# Altium PCB ITA_v01.PcbDoc (continued)
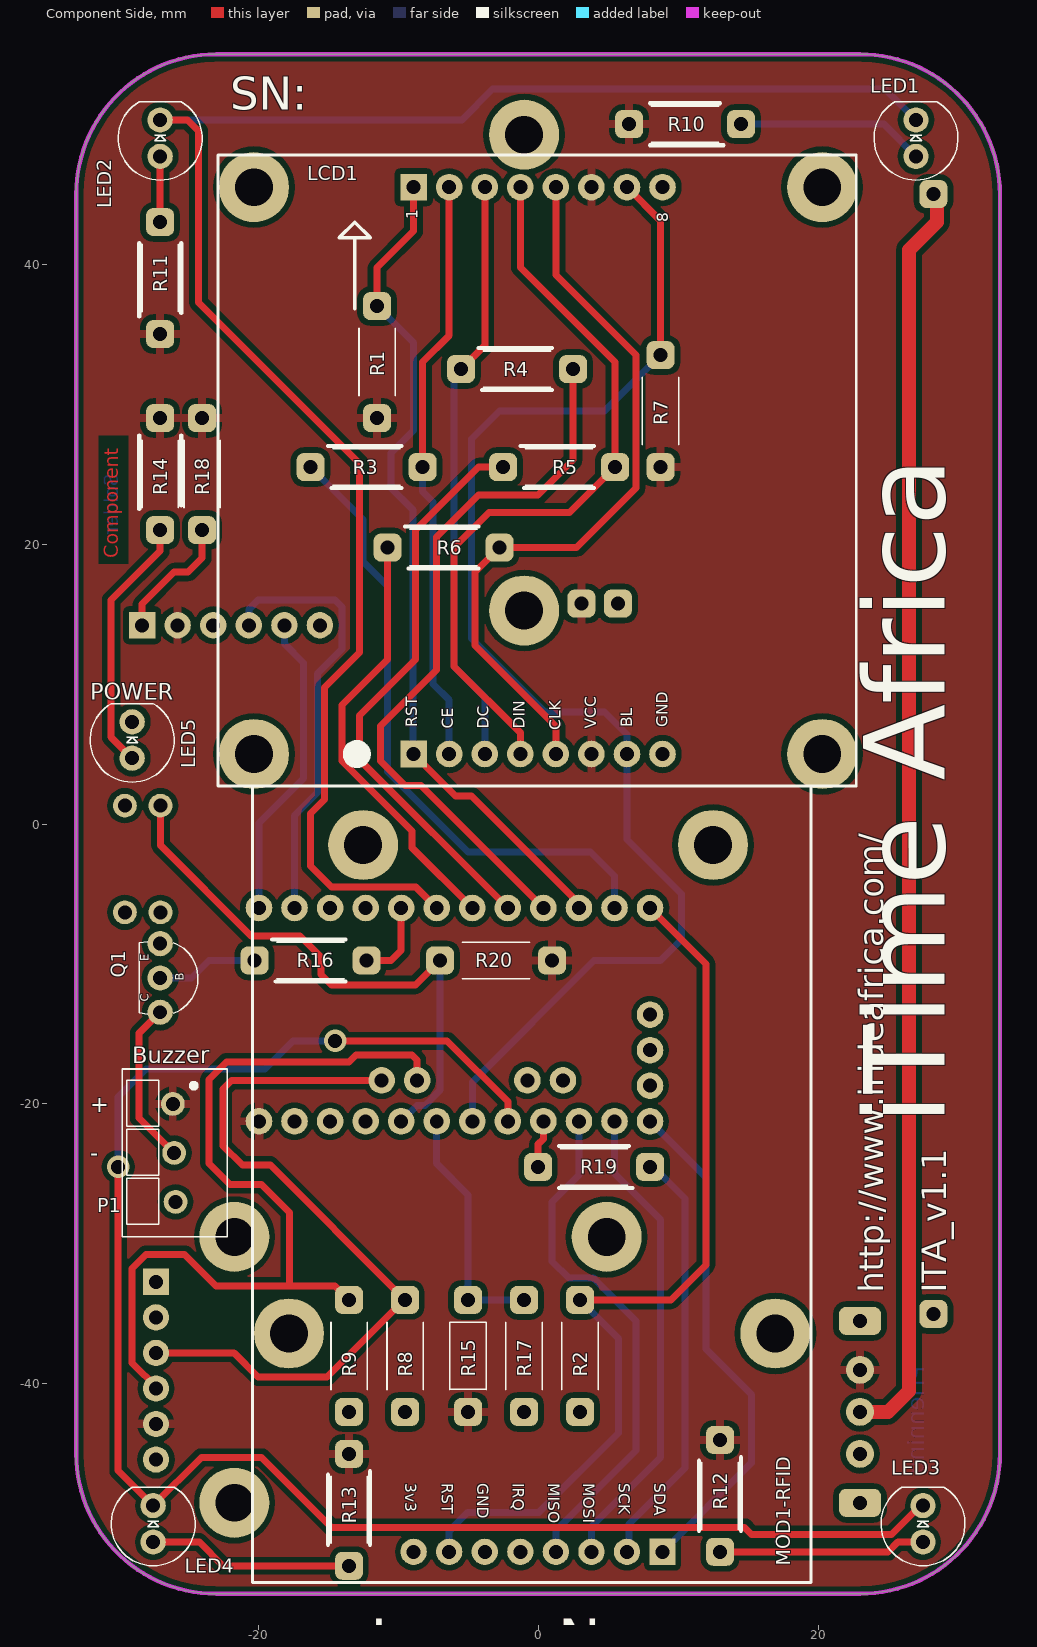
[diagram p0: Component Side view]
## Nets (pads, with @x,y where several pads share a name; then routed paths per layer and width w, separated by ;. In a path a pad name is that pad's centre, name@x,y a point inside that pad or via, vN(x,y) a via of type N, cw(c..) or ccw(c..) an arc to the next point about the centre after c; other vN are vias at no path point) (continued)
  Component Side w0.5: LED5.1 -30.5,6.2 -30.5,16 -27,19.5 R14.2
NetP1_2: P1.2 Q1.1 | length 11.7
  Component Side w0.5: Q1.1 -28.5,-14.95 -28.5,-21 P1.2
NetQ1_2: Q1.2 R16.2 | length 7.3
  Bottom Layer w0.5: Q1.2 -24.75,-11 -23.5,-9.75 R16.2
NetR19_1: R19.1 U1.27 | length 3.4
  Component Side w0.5: R19.1 0,-22.88 0.38,-22.5 U1.27
Reset_b: MOD1-RFID.7 R2.2 U1.1 | length 64.3
  Component Side w0.5: R2.2 9.5,-34 12,-31.5 12,-10 U1.1
  Bottom Layer w0.5: MOD1-RFID.7 -6.35,-50.5 -5.05,-49.2 0.05,-49.2 5.75,-43.5 5.75,-36.75 R2.2
RFID_CS: MOD1-RFID.1 U1.30 | length 36.4
  Bottom Layer w0.5: U1.30 12,-25.24 12,-37.5 15.25,-40.75 15.25,-45.64 MOD1-RFID.1
RFID_MISO: MOD1-RFID.4 U1.28 | length 37.4
  Bottom Layer w0.5: MOD1-RFID.4 1.27,-50.48 7,-44.75 7,-35.5 3.95,-32.45 2.2,-32.45 1,-31.25 1,-27 2.92,-25.08 U1.28
RFID_MOSI: MOD1-RFID.3 U1.29 | length 34.2
  Bottom Layer w0.5: MOD1-RFID.3 3.81,-50.19 8.75,-45.25 8.75,-28.25 5.46,-24.96 U1.29
RFID_SCK: MOD1-RFID.2 R19.2 | length 30.4
  Bottom Layer w0.5: MOD1-RFID.2 6.5,-51.85 6.5,-50 10.5,-46 10.5,-26.75 8.25,-24.5 R19.2
SCL: MOD2-RTC.3 R8.2 U1.34 | length 53
  Component Side w0.5: MOD2-RTC.3@-26.8,-37.79 -21.71,-37.79 -20,-39.5 -15.073,-39.5 -10,-34.427 -10,-33.5 -19.125,-24.375 -21.125,-24.375 -22.5,-23 -22.5,-18.927 -21.892,-18.319 U1.34
SDA: MOD2-RTC.4 R9.2 U1.33 | length 63
  Component Side w0.5: MOD2-RTC.4@-26.8,-40.33 -27.17,-40.33 -29,-38.5 -29,-31.75 -28,-30.75 -25.25,-30.75 -23,-33 -17.75,-33 ; R9.2 -14.5,-33 -17.75,-33 ; R9.2@-13.25,-33.75 R9.2@-13,-34 ; U1.33 -8.637,-16.863 -9,-16.5 -13,-16.5 -13.5,-17 -22.25,-17 -23.5,-18.25 -23.5,-24.25 -22,-25.75 -19.75,-25.75 -17.75,-27.75 -17.75,-33
UART_ARD_2_MOD: MOD3-BT.5 U1.12 | length 22.1
  Bottom Layer w0.5: U1.12 -19.94,0.06 -16.75,3.25 -16.75,11.5 -18.13,12.88 MOD3-BT.5
UART_MOD_2_ARD: MOD3-BT.4 U1.11 | length 31.2
  Bottom Layer w0.5: MOD3-BT.4 -20.67,15.33 -20,16 -14.5,16 -14,15.5 -14,12.5 -15.75,10.75 -15.75,2.25 -17.4,0.6 U1.11
V_Meas: R15.1 R17.2 U1.24 | length 18.1
  Bottom Layer w0.5: U1.24 -7.24,-24.26 -5,-26.5 -5,-33 -5.5,-33.5 R15.1 R17.2
Vbatt: BAT1.1 S1.2 | length 90.4
  Component Side w1: S1.2 25,-42 26.5,-40.5 26.5,41 28.5,43 BAT1.1@28.5,45
Vraw: LCD1.6 MOD2-RTC.5 MOD3-BT.2 MOD4.1 P1.1 R1.1 R7.1 R10.1 R11.1 R12.1 R13.1 R14.1 R15.2 R18.1 R20.2 S1.3 U1.19
pads on no net: LCD1.M1 MOD1-RFID.5 MOD1-RFID.M MOD2-RTC.1 MOD2-RTC.2 MOD2-RTC.M MOD3-BT.6 MOD4.M P1.3 S1.1 S1.M S2.4 U1.10 U1.21 U1.31 U1.32

## Polygon pours and split planes (outlines as drawn)
Vraw on Component Side "Component Side-Vraw" (solid, remove dead copper, pour order 4): -33,49 -27.359,54.641 26.979,55.021 33,49 33,-48.5 26.5,-55 -27.025,-54.975 -32.487,-49.513
3v3 on Bottom Layer "Bottom Layer-3v3" (solid, remove dead copper, pour order 2): -14,-20 -14,-25.5 -15.5,-27 -15.5,-43.519 -15.418,-43.601 -6.601,-43.601 -2.5,-39.5 0.5,-39.5 1.092,-40.092 1.092,-43.408 -0.892,-45.392 -6.392,-45.392 -11,-50 -11,-53.119 -4.619,-53.119 5.25,-43.25 5.25,-20
GND on Bottom Layer "Bottom_gnd" (solid, remove dead copper, pour order 6): -33,49 -27.359,54.641 26.979,55.021 33,49 33,-48.5 26.5,-55 -27.025,-54.975 -32.487,-49.513

## Keep-outs
Keep-Out Layer:
  the board outline again, w0.3

## Other copper
Component Side:
  text "Component" at -30,19 h1 r90
  text ".Layer_Name" at -13.25,-60.75 h5.08
Bottom Layer:
  text "Solder" at -30,25 h1 r90
  text "PHenning" at 28,-38.75 h2 r90
  text ".Layer_Name" at -13.25,-60.75 h5.08

## Silkscreen, mask and mechanical layers (free items; w line width, h text height)
Top Overlay:
  lines w0.1: -6.3,-40.4 -3.7,-40.4 ; -6.3,-35.6 -3.7,-35.6
  lines w0.3: -28.5,22.5 -28.5,27.75 ; -28.5,36.25 -28.5,41.5 ; -25.5,22.75 -25.5,27.75 ; -25.5,36.5 -25.5,41.5 ; -19,-8.25 -13.75,-8.25 ; -18.75,-11.25 -13.75,-11.25 ; -15,-51.5 -15,-46.5 ; -15,27 -9.75,27 ; -14.75,24 -9.75,24 ; -12,-51.5 -12,-46.25 ; -9.5,21.25 -4.25,21.25 ; -9.25,18.25 -4.25,18.25 ; -4.25,34 1,34 ; -4,31 1,31 ; -1.25,27 4,27 ; -1,24 4,24 ; 1.5,-26 6.75,-26 ; 1.5,-23 6.5,-23 ; 8,48.5 13.25,48.5 ; 8,51.5 13,51.5 ; 11.5,-50.5 11.5,-45.5 ; 14.5,-50.5 14.5,-45.25
  text "SN:" at -22,50.25 h4
  text "POWER" at -32,8.5 h2
  text "Buzzer" at -29,-17.5 h2
  text "+" at -32,-21 h2
  text "iTime Africa" at 31,-21.5 h10 r90
  text "-" at -32,-24.5 h2
  text "http://www.irideafrica.com/" at 25.25,-33.5 h3 r90
  text "ITA_v1.1" at 29.75,-33.5 h3 r90
  text ".Layer_Name" at -13.25,-60.75 h5.08
Bottom Overlay:
  text "Config" at -22,4 h0.8 r90
  text "ON" at 31.9,-36.667 h1.8 r90
  text "." at 17.25,-41.25 h6 r90
  text "OFF" at 32.25,-44.75 h1.8 r90
  text ".Layer_Name" at -13.25,-60.75 h5.08
Top Solder:
  text ".Layer_Name" at -13.25,-60.75 h5.08
Solder Side:
  text ".Layer_Name" at -13.25,-60.75 h5.08
Mechanical 1:
  the board outline again, w0.3
Mechanical 2:
  drawing of 810 lines, arcs and shapes, not listed
  text "PCB MANUFACTURING INFORMATION" at -145.5,72.5 h4
  text "CONSTRUCTION" at -143.5,69.5 h2.5
  text "FAB SPECIFICATION" at -143.5,66.5 h1.8
  text "IPC-6012 CLASS" at -120.25,66.5 h1.8
  text "2" at -96.25,66.5 h1.8
  text "3" at -75.25,66.5 h1.8
  text "MIL-SPEC P-55110" at -60.5,66.5 h1.8
  text "LEAD-FREE RoHS" at -143.5,64.5 h1.8
  text "YES" at -117.25,64.5 h1.8
  text "NOT REQD" at -96.25,64.5 h1.8
  text "MATERIAL" at -143.5,62.5 h1.8
  text "FR4" at -117.25,62.5 h1.8
  text "FR408HR" at -96.25,62.5 h1.8
  text "OTHER______________________" at -75.25,62.5 h1.8
  text "SPECIAL CORES" at -143.5,60.5 h1.8
  text "YES" at -117.25,60.5 h1.8
  text "NO" at -96.25,60.5 h1.8
  text "OTHER______________________" at -75.25,60.5 h1.8
  text "FINAL PCB THICKNESS" at -143.5,58.5 h1.8
  text "1.6mm" at -117.25,58.5 h1.8
  text "THICKNESS TOLERANCE" at -143.5,56.5 h1.8
  text "10%" at -117.25,56.5 h1.8
  text "LAYER COUNT" at -143.5,54.5 h1.8
  text "2" at -117.25,54.5 h1.8
  text "LAYER STACK-UP" at -143.5,49.5 h1.8
  text "MECHANICAL LAYER" at -117.25,49.5 h1.8
  text "FILENAME _________________" at -75.25,49.5 h1.8
  text "ALLOW PCB ROTATION" at -143.5,47.5 h1.8
  text "NO" at -117.25,47.5 h1.8
  text "YES - 90 / 270 DEGREES" at -96.25,47.5 h1.8
  text "IMPEDANCE CONTROL" at -143.5,45.5 h1.8
  text "NO" at -117.25,45.5 h1.8
  text "YES" at -96.25,45.5 h1.8
  text "PER STACKUP" at -75.25,45.5 h1.8
  text "SUPPLY TEST COUPONS" at -143.5,43.5 h1.8
  text "NO" at -117.25,43.5 h1.8
  text "YES" at -96.25,43.5 h1.8
  text "BOARD EDGE" at -143.5,41.5 h1.8
  text "NO EXPOSED COPPER" at -117.25,41.5 h1.8
  text "BOW & TWIST" at -143.5,37.5 h1.8
  text "0.75% SMT (IPC-TM-650 Method 2.4.22)" at -117.25,37.5 h1.8
  text "PROFILING" at -143.5,35.5 h1.8
  text "NC-ROUTE" at -117.25,35.5 h1.8
  text "V-SCORE" at -96.25,35.5 h1.8
  text "BOTH AS INDICATED" at -75.25,35.5 h1.8
  text "PROFILE TOLERANCE" at -143.5,33.5 h1.8
  text "+/- 0.15mm" at -117.25,33.5 h1.8
  text "+/- 0.2mm" at -96.25,33.5 h1.8
  text "+/-0.25mm" at -75.25,33.5 h1.8
  text "CONDUCTIVE MATERIAL" at -143.5,29.5 h2.5
  text "QTY SIGNAL LAYERS" at -143.5,26.562 h1.8
  text "2" at -117.2,26.562 h1.8
  text "QTY COPPER PLANES" at -143.5,24.562 h1.8
  text "0" at -117.2,24.562 h1.8
  text "MIN TRACE WIDTH" at -143.5,22.562 h1.8
  text "0.5mm" at -117.2,22.562 h1.8
  text "MIN CLEARANCE" at -143.5,20.562 h1.8
  text "0.4mm" at -117.2,20.562 h1.8
  text "Cu TRACE TOLERANCE" at -143.5,18.5 h1.8
  text "+/- 5%mm" at -117.25,18.5 h1.8
  text "+/- 10%" at -96.25,18.5 h1.8
  text "+/- 15%" at -75.25,18.5 h1.8
  text "Layer" at 37.796,18.164 h1
  text "Name" at 44.803,18.164 h1
  text "Material" at 60.64,18.164 h1
  text "Thickness" at 75.144,18.164 h1
  text "Constant" at 86.149,18.164 h1
  text "Board Layer Stack" at 95.822,18.164 h1
  text "Cu THICKNESS INTERNAL" at -143.5,16.5 h1.8
  text "17um" at -117.25,16.5 h1.8
  text "35um" at -96.25,16.5 h1.8
  text "PER STACKUP" at -75.25,16.5 h1.8
  text "1" at 37.796,16.164 h1
  text "Top Overlay" at 44.803,16.164 h1
  text "FINAL Cu THICKNESS EXT" at -143.5,14.5 h1.8
  text "17um" at -117.25,14.5 h1.8
  text "35um" at -96.25,14.5 h1.8
  text "PER STACKUP" at -75.25,14.5 h1.8
  text "2" at 37.796,14.164 h1
  text "Top Solder" at 44.803,14.164 h1
  text "Solder Resist" at 60.64,14.164 h1
  text "0.010mm" at 75.144,14.164 h1
  text "3.5" at 86.149,14.164 h1
  text "PLATING FINISH" at -143.5,12.5 h1.8
  text "ENIG" at -117.25,12.5 h1.8
  text "FLASH GOLD" at -96.25,12.5 h1.8
  text "OTHER____" at -75.25,12.5 h1.8
  text "3" at 37.796,12.164 h1
  text "Component Side" at 44.803,12.164 h1
  text "Copper" at 60.64,12.164 h1
  text "0.036mm" at 75.144,12.164 h1
  text "EXTERNAL PLATING" at -143.5,10.5 h1.8
  text "CLASS 2 - 20um" at -117.25,10.5 h1.8
  text "CLASS 3  - 25um" at -96.25,10.5 h1.8
  text "4" at 37.796,10.164 h1
  text "Dielectric 1" at 44.803,10.164 h1
  text "FR-4" at 60.64,10.164 h1
  text "1.500mm" at 75.144,10.164 h1
  text "4.2" at 86.149,10.164 h1
  text "SELECTIVE Au PLATING" at -143.5,8.5 h1.8
  text "NO" at -117.25,8.5 h1.8
  text "AS INDICATED" at -96.25,8.5 h1.8
  text "ON EDGE FINGERS" at -75.25,8.5 h1.8
  text "5" at 37.796,8.164 h1
  text "Bottom Layer" at 44.803,8.164 h1
  text "Copper" at 60.64,8.164 h1
  text "0.036mm" at 75.144,8.164 h1
  text "6" at 37.796,6.164 h1
  text "Solder Side" at 44.803,6.164 h1
  text "Solder Resist" at 60.64,6.164 h1
  text "0.010mm" at 75.144,6.164 h1
  text "3.5" at 86.149,6.164 h1
  text "INTERCONNECTS" at -143.5,4.5 h2.5
  text "7" at 37.796,4.164 h1
  text "Bottom Overlay" at 44.803,4.164 h1
  text "DRILL PROCESS" at -143.5,1.631 h1.8
  text "THT" at -117.2,1.631 h1.8
  text "BLIND & BURIED VIAS" at -96.2,1.631 h1.8
  text "MICRO VIAS" at -61.2,1.631 h1.8
  text "NO" at -117.2,-0.369 h1.8
  text "YES" at -96.2,-0.369 h1.8
  text "SELECTIVE" at -61.2,-0.369 h1.8
  text "FILLED VIAS" at -143.5,-0.5 h1.8
  text "I(a) TENTED" at -117.2,-2.369 h1.8
  text "VI - FILLED & COVERED" at -96.2,-2.369 h1.8
  text "VII - FILLED & CAPPED" at -61.2,-2.369 h1.8
  text "IPC-4761 VIA TYPE" at -143.5,-2.5 h1.8
  text "CONDUCTIVE" at -117.2,-4.369 h1.8
  text "NON-CONDUCTIVE" at -96.2,-4.369 h1.8
  text "FILLING METHOD" at -143.5,-4.5 h1.8
  text "HOLE PLATING" at -143.5,-6.369 h1.8
  text "CLASS 2 - 20um" at -117.25,-6.5 h1.8
  text "CLASS 3  - 25um" at -96.25,-6.5 h1.8
  text "MIN DRILL SIZE" at -143.5,-8.369 h1.8
  text "0.25mm" at -117.25,-8.5 h1.8
  text "MIN FINISHED HOLE" at -143.5,-10.369 h1.8
  text "1mm" at -117.25,-10.5 h1.8
  text "MIN HOLE TO COPPER" at -143.5,-12.5 h1.8
  text "0.2mm" at -117.25,-12.5 h1.8
  text "FINAL HOLE SIZE" at -143.5,-14.5 h1.8
  text "AS PER DRILL TABLE" at -117.25,-14.631 h1.8
  text "CUSTOM INSTRUCTION" at -75.25,-14.631 h1.8
  text "HOLE SIZE TOLERANCE" at -143.5,-16.631 h1.8
  text "+/- 0.075mm" at -117.25,-16.631 h1.8
  text "+/- 0.1mm" at -96.25,-16.631 h1.8
  text "+/- 0.215mm" at -75.25,-16.631 h1.8
  text "HOLE POSITION TOL (GDT)" at -143.5,-18.631 h1.8
  text "0.075mm" at -117.25,-18.631 h1.8
  text "0.085mm" at -96.25,-18.631 h1.8
  text "MIN ASPECT RATIO" at -143.5,-20.631 h1.8
  text "6.4: 1" at -117.25,-20.631 h1.8
  text "COSMETICS" at -143.5,-24.631 h2.5
  text "SOLDERMASK SIDES" at -143.5,-27.631 h1.8
  text "TOP" at -117.25,-27.631 h1.8
  text "BOT" at -103.25,-27.631 h1.8
  text "BOTH SIDES" at -89.25,-27.631 h1.8
  text "SOLDERMASK TYPE" at -143.5,-29.631 h1.8
  text "PHOTO IMAGEABLE (SMOBC)" at -117.25,-29.631 h1.8
  text "SOLDERMASK COLOUR" at -143.5,-31.631 h1.8
  text "GREEN" at -117.25,-31.631 h1.8
  text "BLUE" at -103.25,-31.631 h1.8
  text "RED" at -89.25,-31.631 h1.8
  text "BLACK" at -75.25,-31.631 h1.8
  text "WHITE" at -61.25,-31.631 h1.8
  text "SOLDERMASK WEBBING" at -143.5,-33.631 h1.8
  text "GANG RELIEF NOT ALLOWED, UNLESS BELOW CAPABILITY" at -117.25,-33.631 h1.8
  text "SILKSCREEN COLOUR" at -143.45,-35.631 h1.8
  text "WHITE" at -117.2,-35.631 h1.8
  text "YELLOW" at -103.25,-35.631 h1.8
  text "OTHER ____________" at -89.25,-35.631 h1.8
  text "SILKSCREEN PRINT" at -143.45,-37.631 h1.8
  text "NO LEGEND TO BE APPLIED OVER SOLDER PADS" at -117.25,-37.631 h1.8
  text "SILKSCREEN QTY" at -143.45,-39.631 h1.8
  text "TOP" at -117.2,-39.631 h1.8
  text "BOT" at -103.25,-39.631 h1.8
  text "BOTH SIDES" at -89.25,-39.631 h1.8
  text "SILKSCREEN OVER PADS" at -143.45,-41.631 h1.8
  text "NOT PERMITTED, PLEASE REMOVE IF PRESENT" at -117.25,-41.631 h1.8
  text "MANUFACTURING DEVIATIONS" at -143.45,-45.631 h2.5
  text "PAD REMOVAL" at -143.45,-48.631 h1.8
  text "NO" at -117.25,-48.631 h1.8
  text "ALLOWED ON UNUSED PADS ON INNER LAYERS" at -103.25,-48.631 h1.8
  text "TEARDROPPING" at -143.45,-50.631 h1.8
  text "NO" at -117.25,-50.631 h1.8
  text "YES" at -103.2,-50.631 h1.8
  text "THIEVING" at -143.45,-52.631 h1.8
  text "NO" at -117.25,-52.631 h1.8
  text "WHERE INDICATED" at -103.2,-52.631 h1.8
  text "ALLOWED ON PANEL STRIPS" at -75.25,-52.631 h1.8
  text "ADDITIONAL REQUIREMENTS" at -143.5,-56.631 h2.5
  text "ELECTRICAL TEST" at -143.45,-59.631 h1.8
  text "NONE" at -117.2,-59.631 h1.8
  text "FLYING PROBE" at -89.25,-59.631 h1.8
  text "MANUFACTURER LOGO" at -143.45,-61.631 h1.8
  text "ALLOWED" at -117.2,-61.631 h1.8
  text "NO" at -103.2,-61.631 h1.8
  text ".Print_Date" at 171,-63 h2
  text "BATCH No ON S/SCREEN" at -143.45,-63.631 h1.8
  text "YES" at -117.2,-63.631 h1.8
  text "NO" at -103.2,-63.631 h1.8
  text "DATESTAMP OF THIS PRINT" at 145,-65 h2
  text ".Print_Time" at 171,-65 h2
  text "CERTIFICATE REQ'D" at -143.45,-65.631 h1.8
  text "E-TEST" at -117.2,-65.631 h1.8
  text "UL94" at -103.2,-65.631 h1.8
  text "IPC-6011/12" at -89.25,-65.631 h1.8
  text "MIL-SPEC P-55110" at -75.25,-65.631 h1.8
  text "SILKSCREEN SERIAL #" at -143.5,-67.631 h1.8
  text "YES" at -117.2,-67.631 h1.8
  text "NO" at -103.2,-67.631 h1.8
  text "MANUFACTURING DRAWING" at 133.5,-68.5 h3.5
  text "FINGER EDGE CONNECTOR" at -143.5,-71.631 h2.5
  text "I Ride Africa" at -28.5,-72 h5
  text "I Time Africa" at 134.5,-72 h4
  text "I Ride Africa" at 98,-74 h4
  text "PLATING THICKNESS" at -143.45,-74.631 h1.8
  text "1um" at -117.2,-74.631 h1.8
  text "2um" at -103.2,-74.631 h1.8
  text "5um" at -89.2,-74.631 h1.8
  text "DOCUMENT NUMBER" at 133.5,-75.5 h2
  text "PLATING TYPE" at -143.45,-76.631 h1.8
  text "HARD GOLD" at -117.2,-76.631 h1.8
  text "ENIG" at -89.2,-76.631 h1.8
  text "phhenning@gmail.com" at 51.5,-76.75 h2.5
  text "1.1" at 6.5,-77 h2.5
  text "P Henning" at 13.5,-77 h2.5
  text "2018-01-18" at 33.5,-77 h2.5
  text "CHAMPHER ANGLES" at -143.45,-78.631 h1.8
  text "20" at -117.2,-78.631 h1.8
  text "30" at -103.2,-78.631 h1.8
  text "45" at -89.2,-78.631 h1.8
  text "ITA_v1.1" at 134.5,-79 h4
  text "phhenning@gmail.com" at 51.5,-79.5 h2.5
  text "1.0" at 6.5,-80 h2.5
  text "P Henning" at 13.5,-80 h2.5
  text "2017-12-12" at 33.5,-80 h2.5
  text "CHAMPHER HEIGHT" at -143.5,-80.631 h1.8
  text "???" at -117.2,-80.631 h1.8
  text "SHEET" at 170,-82 h2.5
  text "DETAIL" at -143.5,-82.631 h1.8
  text "NO" at -117.25,-82.631 h1.8
  text "YES, SEE MECHANICAL LAYER" at -103.25,-82.631 h1.8
  text "www.irideafrica.co.za" at -23.5,-83 h2.05
  text "REV" at 6.5,-83.5 h2
  text "DRAWN" at 13.5,-83.5 h2
  text "DATE" at 33.5,-83.5 h2
  text "ENGINEER" at 52.5,-83.5 h2
  text "1" at 172.5,-84 h2.5
  text "OF" at 175.5,-84 h2.5
  text "1" at 179.5,-84 h2.5
Mechanical 4:
  rectangle: 151.5,-34.5 153,-33
  rectangle: 162.5,-22.5 164,-21
  rectangle: 151.5,-25.5 153,-24
  rectangle: 151.5,-28.5 153,-27
  rectangle: 151.5,-31.5 153,-30
  rectangle: 162.5,-37.5 164,-36
  rectangle: 151.5,-40.5 153,-39
  rectangle: 151.5,-43.5 153,-42
  rectangle: 151.5,-46.5 153,-45
  rectangle: 151.5,-49.5 153,-48
  rectangle: 162.5,-52.5 164,-51
  lines w0.127: 127.164,-67.724 cw(c127.159,-70.724) 130.159,-70.703 ; 127.165,-67.724 87.277,-67.724 90.935,-76.152 130.159,-76.152 130.159,-70.697 ; 85.753,-66.724 127.165,-66.724 cw(c127.159,-70.724) 131.159,-70.697 131.159,-77.152 90.279,-77.152 85.753,-66.724
  lines w0.2: 4,-84.5 4,-65.5 ; 4,-80.5 85,-80.5 ; 4,-77.5 85,-77.5 ; 4,-74.5 85,-74.5 ; 4,-71.5 85,-71.5 ; 4,-68.5 85,-68.5 ; 11,-84.5 11,-65.5 ; 31,-84.5 31,-65.5 ; 50,-84.5 50,-65.5 ; 70,-84.5 70,-65.5 ; 85,-84.5 85,-65.5 ; 85,-78.5 132,-78.5 183.5,-78.5 ; 132,-84.5 132,-65.5 ; 169,-84.5 169,-78.5 ; -39.5,-65.5 -39.5,77.5 183.5,77.5 183.5,-65.5 ; -39.5,-65.5 -39.5,-84.5 183.5,-84.5 183.5,-65.5 ; -39.5,-65.5 183.5,-65.5 ; 119.5,-54.5 119.5,-16.5 179.5,-16.5 179.5,-54.5 119.5,-54.5
  lines w0.254: 151.5,-52.5 153,-52.5 153,-51 151.5,-51 151.5,-52.5 ; 151.5,-49.5 151.5,-48 153,-48 153,-49.5 151.5,-49.5 ; 151.5,-46.5 151.5,-45 153,-45 153,-46.5 151.5,-46.5 ; 151.5,-43.5 151.5,-42 153,-42 153,-43.5 151.5,-43.5 ; 151.5,-40.5 151.5,-39 153,-39 153,-40.5 151.5,-40.5 ; 151.5,-37.5 151.5,-36 153,-36 153,-37.5 151.5,-37.5 ; 151.5,-34.5 151.5,-33 153,-33 153,-34.5 151.5,-34.5 ; 151.5,-31.5 151.5,-30 153,-30 153,-31.5 151.5,-31.5 ; 151.5,-28.5 151.5,-27 153,-27 153,-28.5 151.5,-28.5 ; 151.5,-25.5 151.5,-24 153,-24 153,-25.5 151.5,-25.5 ; 151.5,-22.5 151.5,-21 153,-21 153,-22.5 151.5,-22.5 ; 162.5,-52.5 164,-52.5 164,-51 162.5,-51 162.5,-52.5 ; 162.5,-49.5 162.5,-48 164,-48 164,-49.5 162.5,-49.5 ; 162.5,-46.5 162.5,-45 164,-45 164,-46.5 162.5,-46.5 ; 162.5,-43.5 162.5,-42 164,-42 164,-43.5 162.5,-43.5 ; 162.5,-40.5 162.5,-39 164,-39 164,-40.5 162.5,-40.5 ; 162.5,-37.5 162.5,-36 164,-36 164,-37.5 162.5,-37.5 ; 162.5,-34.5 162.5,-33 164,-33 164,-34.5 162.5,-34.5 ; 162.5,-31.5 162.5,-30 164,-30 164,-31.5 162.5,-31.5 ; 162.5,-25.5 162.5,-24 164,-24 164,-25.5 162.5,-25.5 ; 162.5,-22.5 162.5,-21 164,-21 164,-22.5 162.5,-22.5
  text "PCB ASSEMBLY INSTRUCTIONS" at 119.5,-20.5 h2
  text "1: RoHS BUILD" at 121.5,-22.5 h1.8
  text "NO" at 154,-22.5 h1.8
  text "YES" at 165,-22.5 h1.8
  text "2: WASH PCB" at 121.5,-25.5 h1.8
  text "NO" at 154,-25.5 h1.8
  text "YES" at 165,-25.5 h1.8
  text "3: THL COMPONENT LEGS" at 121.5,-28.5 h1.8
  text "< 2mm CUT BEFORE ASSEMBLY" at 154,-28.5 h1.8
  text "4: BREAK PCB FROM PANEL" at 121.5,-31.5 h1.8
  text "NO" at 154,-31.5 h1.8
  text "YES" at 165,-31.5 h1.8
  text "5: X-RAY PCB" at 121.5,-34.5 h1.8
  text "NO" at 154,-34.5 h1.8
  text "YES" at 165,-34.5 h1.8
  text "6: OPTICAL INSPECTION" at 121.5,-37.5 h1.8
  text "NO" at 154,-37.5 h1.8
  text "YES" at 165,-37.5 h1.8
  text "7: BASIC ELECTRICAL TEST" at 121.5,-40.5 h1.8
  text "NO" at 154,-40.5 h1.8
  text "YES" at 165,-40.5 h1.8
  text "8: ASSEMBLY CALIBRATION" at 121.5,-43.5 h1.8
  text "NO" at 154,-43.5 h1.8
  text "YES" at 165,-43.5 h1.8
  text "9: PRODUCTION PROGRAMMING" at 121.5,-46.5 h1.8
  text "NO" at 154,-46.5 h1.8
  text "YES" at 165,-46.5 h1.8
  text "10: CONFORMAL COATING" at 121.5,-49.5 h1.8
  text "NO" at 154,-49.5 h1.8
  text "YES" at 165,-49.5 h1.8
  text "11: STATIC SENSITIVE" at 121.5,-52.5 h1.8
  text "NO" at 154,-52.5 h1.8
  text "YES" at 165,-52.5 h1.8
  text ".Print_Date" at 170.5,-63 h2
  text "Assembly Variant:" at 37.5,-63.5 h5
  text ".VariantName" at 75.5,-63.5 h5
  text "DATESTAMP OF THIS PRINT" at 144.5,-65 h2
  text ".Print_Time" at 170.5,-65 h2
  text ".ASY_Rev_5" at 6,-68 h2.5
  text ".ASY_Drawn_5" at 13,-68 h2.5
  text ".ASY_Date_5" at 33,-68 h2.5
  text ".ASY_Engineer_5" at 52,-68 h2.5
  text ".ASY_ECO_5" at 72,-68 h2.5
  text "ASSEMBLY DRAWING" at 141,-69.5 h3.5
  text ".ASY_Rev_4" at 6,-71 h2.5
  text ".ASY_Drawn_4" at 13,-71 h2.5
  text ".ASY_Date_4" at 33,-71 h2.5
  text ".ASY_Engineer_4" at 52,-71 h2.5
  text ".ASY_ECO_4" at 72,-71 h2.5
  text ".ASY_Rev_3" at 6,-74 h2.5
  text ".ASY_Drawn_3" at 13,-74 h2.5
  text ".ASY_Date_3" at 33,-74 h2.5
  text ".ASY_Engineer_3" at 52,-74 h2.5
  text ".ASY_ECO_3" at 72,-74 h2.5
  text ".PRJ_Title" at 134,-75.5 h5
  text ".ASY_Rev_2" at 6,-77 h2.5
  text ".ASY_Drawn_2" at 13,-77 h2.5
  text ".ASY_Date_2" at 33,-77 h2.5
  text ".ASY_Engineer_2" at 52,-77 h2.5
  text ".ASY_ECO_2" at 72,-77 h2.5
  text ".ASY_Rev_1" at 6,-80 h2.5
  text ".ASY_Drawn_1" at 13,-80 h2.5
  text ".ASY_Date_1" at 33,-80 h2.5
  text ".ASY_Engineer_1" at 52,-80 h2.5
  text ".ASY_ECO_1" at 72,-80 h2.5
  text "PCB PROJECT NUMBER" at 133,-80.5 h2
  text "SHEET" at 170,-80.5 h2
  text "PCB FILENAME:" at 87,-81 h2
  text "REV" at 6,-83.5 h2
  text "DRAWN" at 13,-83.5 h2
  text "DATE" at 33,-83.5 h2
  text "ENGINEER" at 52,-83.5 h2
  text "ECO" at 72,-83.5 h2
  text ".Pcb_File_Name_No_Path" at 89.5,-83.5 h2.5
  text ".PRJ_Number_ASSY" at 134,-83.5 h4
  text "1" at 172,-83.5 h3
  text "OF" at 175,-83.5 h2
  text "2" at 179,-83.5 h3
Mechanical 5:
  lines w0.127: 13.841,-70.703 cw(c16.841,-70.724) 16.836,-67.724 ; 13.841,-70.697 13.841,-76.152 53.065,-76.152 56.723,-67.724 16.835,-67.724 ; 12.841,-77.152 12.841,-70.697 cw(c16.841,-70.724) 16.835,-66.724 58.247,-66.724 53.721,-77.152 12.841,-77.152
  lines w0.2: -39.5,-78.5 12,-78.5 59,-78.5 ; -25,-84.5 -25,-78.5 ; 12,-84.5 12,-65.5 ; 59,-84.5 59,-65.5 ; 59,-80.5 140,-80.5 ; 59,-77.5 140,-77.5 ; 59,-74.5 140,-74.5 ; 59,-71.5 140,-71.5 ; 59,-68.5 140,-68.5 ; 74,-84.5 74,-65.5 ; 94,-84.5 94,-65.5 ; 113,-84.5 113,-65.5 ; 133,-84.5 133,-65.5 ; 140,-84.5 140,-65.5 ; -39.5,-65.5 -39.5,77.5 183.5,77.5 183.5,-65.5 ; -39.5,-65.5 183.5,-65.5 ; -39.5,-65.5 -39.5,-84.5 183.5,-84.5 183.5,-65.5
  text ".Print_Date" at -26.5,-63 h2
  text ".VariantName" at 68.5,-63.5 h5
  text "Assembly Variant:" at 106.5,-63.5 h5
  text ".Print_Time" at -26.5,-65 h2
  text "DATESTAMP OF THIS PRINT" at -0.5,-65 h2
  text ".ASY_ECO_5" at 72,-68 h2.5
  text ".ASY_Engineer_5" at 92,-68 h2.5
  text ".ASY_Date_5" at 111,-68 h2.5
  text ".ASY_Drawn_5" at 131,-68 h2.5
  text ".ASY_Rev_5" at 138,-68 h2.5
  text "ASSEMBLY DRAWING" at 3,-69.5 h3.5
  text ".ASY_ECO_4" at 72,-71 h2.5
  text ".ASY_Engineer_4" at 92,-71 h2.5
  text ".ASY_Date_4" at 111,-71 h2.5
  text ".ASY_Drawn_4" at 131,-71 h2.5
  text ".ASY_Rev_4" at 138,-71 h2.5
  text ".ASY_ECO_3" at 72,-74 h2.5
  text ".ASY_Engineer_3" at 92,-74 h2.5
  text ".ASY_Date_3" at 111,-74 h2.5
  text ".ASY_Drawn_3" at 131,-74 h2.5
  text ".ASY_Rev_3" at 138,-74 h2.5
  text ".PRJ_Title" at 10,-75.5 h5
  text ".ASY_ECO_2" at 72,-77 h2.5
  text ".ASY_Engineer_2" at 92,-77 h2.5
  text ".ASY_Date_2" at 111,-77 h2.5
  text ".ASY_Drawn_2" at 131,-77 h2.5
  text ".ASY_Rev_2" at 138,-77 h2.5
  text ".ASY_ECO_1" at 72,-80 h2.5
  text ".ASY_Engineer_1" at 92,-80 h2.5
  text ".ASY_Date_1" at 111,-80 h2.5
  text ".ASY_Drawn_1" at 131,-80 h2.5
  text ".ASY_Rev_1" at 138,-80 h2.5
  text "SHEET" at -26,-80.5 h2
  text "PCB PROJECT NUMBER" at 11,-80.5 h2
  text "PCB FILENAME:" at 57,-81 h2
  text "2" at -35,-83.5 h3
  text "OF" at -31,-83.5 h2
  text "1" at -28,-83.5 h3
  text ".PRJ_Number_ASSY" at 10,-83.5 h4
  text ".Pcb_File_Name_No_Path" at 54.5,-83.5 h2.5
  text "ECO" at 72,-83.5 h2
  text "ENGINEER" at 92,-83.5 h2
  text "DATE" at 111,-83.5 h2
  text "DRAWN" at 131,-83.5 h2
  text "REV" at 138,-83.5 h2
Mechanical 9:
  lines w0.254: -140,-86.25 -140,123.75 157,123.75 157,-86.25 -140,-86.25
  lines w0.3: -33,-45 ccw(c-23,-45) -23,-55 23,-55 ccw(c23,-45) 33,-45 33,45 ccw(c23,45) 23,55 -23,55 ccw(c-23,45) -33,45 -33,-45
  text ".Layer_Name" at -13,-61 h5.08
Mechanical 11:
  text ".Layer_Name" at -13.25,-60.75 h5.08
Mechanical 12:
  text ".Layer_Name" at -12.5,-60.75 h5.08
Drill Drawing:
  lines w0.254: 39.522,-45.5 41.197,-45.5 41.197,-43.825 39.522,-43.825 39.522,-45.5 ; 39.522,-40.893 40.36,-41.731 41.197,-40.893 40.36,-40.056 39.522,-40.893
  lines w0.381: 38.019,-46.631 135.529,-46.631 ; 38.019,-39.093 135.529,-39.093 ; 51.869,-50.4 51.869,-35.324 ; 69.412,-50.4 69.412,-35.324 ; 103.231,-50.4 103.231,-35.324 ; 115.951,-50.4 115.951,-35.324 ; 38.019,-50.4 135.529,-50.4 135.529,-35.324 38.019,-35.324 38.019,-50.4
  text ".Legend" at 42.25,31.75 h1
  text "Symbol" at 40.28,-37.962 h1.81
  text "Hit Count" at 53,-37.962 h1.81
  text "Finished Hole Size" at 70.543,-37.962 h1.81
  text "Plated" at 104.362,-37.962 h1.81
  text "Hole Type" at 117.082,-37.962 h1.81
  text "13" at 53,-41.731 h1.51
  text "2.700mm (106.30mil)" at 70.543,-41.731 h1.51
  text "PTH" at 104.362,-41.731 h1.51
  text "Round" at 117.082,-41.731 h1.51
  text "138" at 53,-45.5 h1.51
  text "1.000mm (39.37mil)" at 70.543,-45.5 h1.51
  text "PTH" at 104.362,-45.5 h1.51
  text "Round" at 117.082,-45.5 h1.51
  text "151 Total" at 53,-49.269 h1.51
  text ".Layer_Name" at -13,-60.75 h5.08

## Dimensions
-33,45 to 33,45 on Mechanical 9
23,55 to 23,-55 on Mechanical 9
23,45 to 41.25,61.25 on Mechanical 9

## Text inside footprints (layer, text, board x,y; h text height)
BAT1: Bottom Overlay "GND" at 32.25,-35.25 h1; Bottom Overlay "VCC ( 3.3V)" at 32,45.5 h1 r90; Mechanical 9 "V2.0" at 20.35,5.35 h0.2 r90
LCD1: Top Overlay "8" at 9.3,43 h0.8 r90; Top Overlay "GND" at 9.279,6.905 h0.8 r90; Top Overlay "1" at -8.6,43.2 h0.8 r90; Top Overlay "RST" at -8.628,6.905 h0.8 r90; Top Overlay "CE" at -6.07,6.805 h0.8 r90; Top Overlay "DC" at -3.512,6.805 h0.8 r90; Top Overlay "DIN" at -0.954,6.805 h0.8 r90; Top Overlay "CLK" at 1.605,6.705 h0.8 r90; Top Overlay "VCC" at 4.163,6.805 h0.8 r90; Top Overlay "BL" at 6.721,6.905 h0.8 r90
LED1: Mechanical 9 "V2.0" at 27.4,47.9 h0.6 r90
LED2: Mechanical 9 "V2.0" at -26.6,47.9 h0.6 r90
LED3: Mechanical 9 "V2.0" at 27.9,-51.1 h0.6 r90
LED4: Mechanical 9 "V2.0" at -27.1,-51.1 h0.6 r90
LED5: Mechanical 9 "V2.0" at -28.6,4.9 h0.6 r90
MOD1-RFID: Top Overlay "3v3" at -9.5,-47.1 h0.8 r270; Top Overlay "RST" at -6.871,-47.1 h0.8 r270; Top Overlay "GND" at -4.343,-47.1 h0.8 r270; Top Overlay "IRQ" at -1.814,-47.1 h0.8 r270; Top Overlay "MISO" at 0.714,-47.1 h0.8 r270; Top Overlay "MOSI" at 3.243,-47.1 h0.8 r270; Top Overlay "SCK" at 5.771,-47.1 h0.8 r270; Top Overlay "SDA" at 8.3,-47.1 h0.8 r270; Mechanical 9 "v1.1" at -6.7,-22.2 h1.52 r270
MOD2-RTC: Bottom Overlay "32k" at -23.4,-33.2 h0.8; Bottom Overlay "SQW" at -23.4,-35.729 h0.8; Bottom Overlay "SCL" at -23.4,-38.257 h0.8; Bottom Overlay "SDA" at -23.4,-40.786 h0.8; Bottom Overlay "VCC" at -23.4,-43.314 h0.8; Bottom Overlay "GND" at -23.4,-45.843 h0.8; Mechanical 9 "v1.3" at -7.1,-39.9 h1.52
MOD3-BT: Bottom Overlay "EN" at -27.8,19.7 h0.8 r90; Bottom Overlay "VCC" at -25.271,19.7 h0.8 r90; Bottom Overlay "GND" at -22.743,19.7 h0.8 r90; Bottom Overlay "TXD" at -20.214,19.7 h0.8 r90; Bottom Overlay "RXD" at -17.686,19.7 h0.8 r90; Bottom Overlay "STATE" at -15.157,19.7 h0.8 r90
MOD4: Bottom Overlay "-" at 6.4,13.65 h1 r90; Bottom Overlay "+" at 3.7,13.85 h1 r90; Mechanical 9 "V2.0" at -0.9,32.6 h0.2 r90
P1: Mechanical 9 "v1.1 - IPC Level B" at -26.4,-19.5 h0.7 r270
Q1: Top Overlay "C" at -27.8,-12.7 h0.6 r90; Top Overlay "E" at -27.8,-9.8 h0.6 r90; Top Overlay "B" at -25.3,-11.2 h0.6 r90
R1: Mechanical 9 "V2.0" at -11.4,32.65 h0.2 r90
R2: Mechanical 9 "V2.0" at 3.1,-38.35 h0.2 r90
R3: Mechanical 9 "V2.0" at -12.6,25.4 h0.2
R4: Mechanical 9 "V2.0" at -1.15,32.6 h0.2 r180
R5: Mechanical 9 "V2.0" at 1.15,25.4 h0.2
R6: Mechanical 9 "V2.0" at -7.1,19.65 h0.2
R7: Mechanical 9 "V2.0" at 8.85,29.15 h0.2 r90
R8: Mechanical 9 "V2.0" at -9.4,-38.35 h0.2 r90
R9: Mechanical 9 "V2.0" at -13.4,-38.35 h0.2 r90
R10: Mechanical 9 "V2.0" at 10.15,49.9 h0.2
R11: Mechanical 9 "V2.0" at -26.9,38.65 h0.2 r90
R12: Mechanical 9 "V2.0" at 12.9,-47.65 h0.2 r270
R13: Mechanical 9 "V2.0" at -13.6,-48.65 h0.2 r270
R14: Mechanical 9 "V2.0" at -27.1,25.35 h0.2 r270
R15: Mechanical 9 "V2.0" at -5.1,-37.65 h0.2 r270
R16: Mechanical 9 "V2.0" at -15.9,-9.65 h0.2 r180
R17: Mechanical 9 "V2.0" at -0.9,-38.35 h0.2 r90
R18: Mechanical 9 "V2.0" at -24.1,25.35 h0.2 r270
R19: Mechanical 9 "V2.0" at 3.65,-24.6 h0.2
R20: Mechanical 9 "V2.0" at -3.35,-9.85 h0.2
S1: Mechanical 9 "P2624616678 / I2974945876 / 3 pin 3mm pitch  Verticla or Right angle" at 24.7,-43.1 h0.2 r270
S2: Bottom Overlay "ON" at -24.75,1.6 h0.8; Mechanical 9 "v1.1 - IPC Level B" at -28.65,-6.5 h0.7 r270
U1: Bottom Overlay "RAW" at -19.395,-23.5 h0.8 r90; Bottom Overlay "GND" at -16.837,-23.5 h0.8 r90; Bottom Overlay "RST" at -14.279,-23.5 h0.8 r90; Bottom Overlay "VCC" at -11.721,-23.5 h0.8 r90; Bottom Overlay "A3" at -9.128,-23.5 h0.8 r90; Bottom Overlay "A2" at -6.57,-23.5 h0.8 r90; Bottom Overlay "TXO" at -19.295,-1.105 h0.8 r90; Bottom Overlay "RXI" at -16.737,-1.205 h0.8 r90; Bottom Overlay "RST" at -14.5,-1.1 h0.8 r90; Bottom Overlay "GND" at -11.621,-1.105 h0.8 r90; Bottom Overlay "A5" at -10.728,-15 h0.8 r90; Bottom Overlay "A4" at -8.17,-15 h0.8 r90; Bottom Overlay "D2" at -9.028,-2 h0.8 r90; Bottom Overlay "D3" at -6.47,-2 h0.8 r90; Bottom Overlay "A1" at -4.012,-23.5 h0.8 r90; Bottom Overlay "SCK" at 1.105,-23.5 h0.8 r90; Bottom Overlay "A0" at -1.454,-23.5 h0.8 r90; Bottom Overlay "MISO" at 3.663,-23.5 h0.8 r90; Bottom Overlay "MOSI" at 6.221,-23.5 h0.8 r90; Bottom Overlay "SS" at 8.779,-23.5 h0.8 r90; Bottom Overlay "A7" at 6.5,-18.25 h0.8 r90; Bottom Overlay "A7" at -0.2,-15 h0.8 r90; Bottom Overlay "A6" at 2.2,-14.9 h0.8 r90; Bottom Overlay "D4" at -3.912,-2 h0.8 r90; Bottom Overlay "D5" at -1.354,-2 h0.8 r90; Bottom Overlay "D6" at 1.205,-2 h0.8 r90; Bottom Overlay "GND" at 6.5,-12.25 h0.8 r90; Bottom Overlay "A6" at 6.5,-15.5 h0.8 r90; Bottom Overlay "D7" at 3.763,-2 h0.8 r90; Bottom Overlay "D8" at 6.321,-2 h0.8 r90; Bottom Overlay "D9" at 8.879,-2 h0.8 r90